# KiCad board Ricardo-Stark.kicad_pcb (continued)
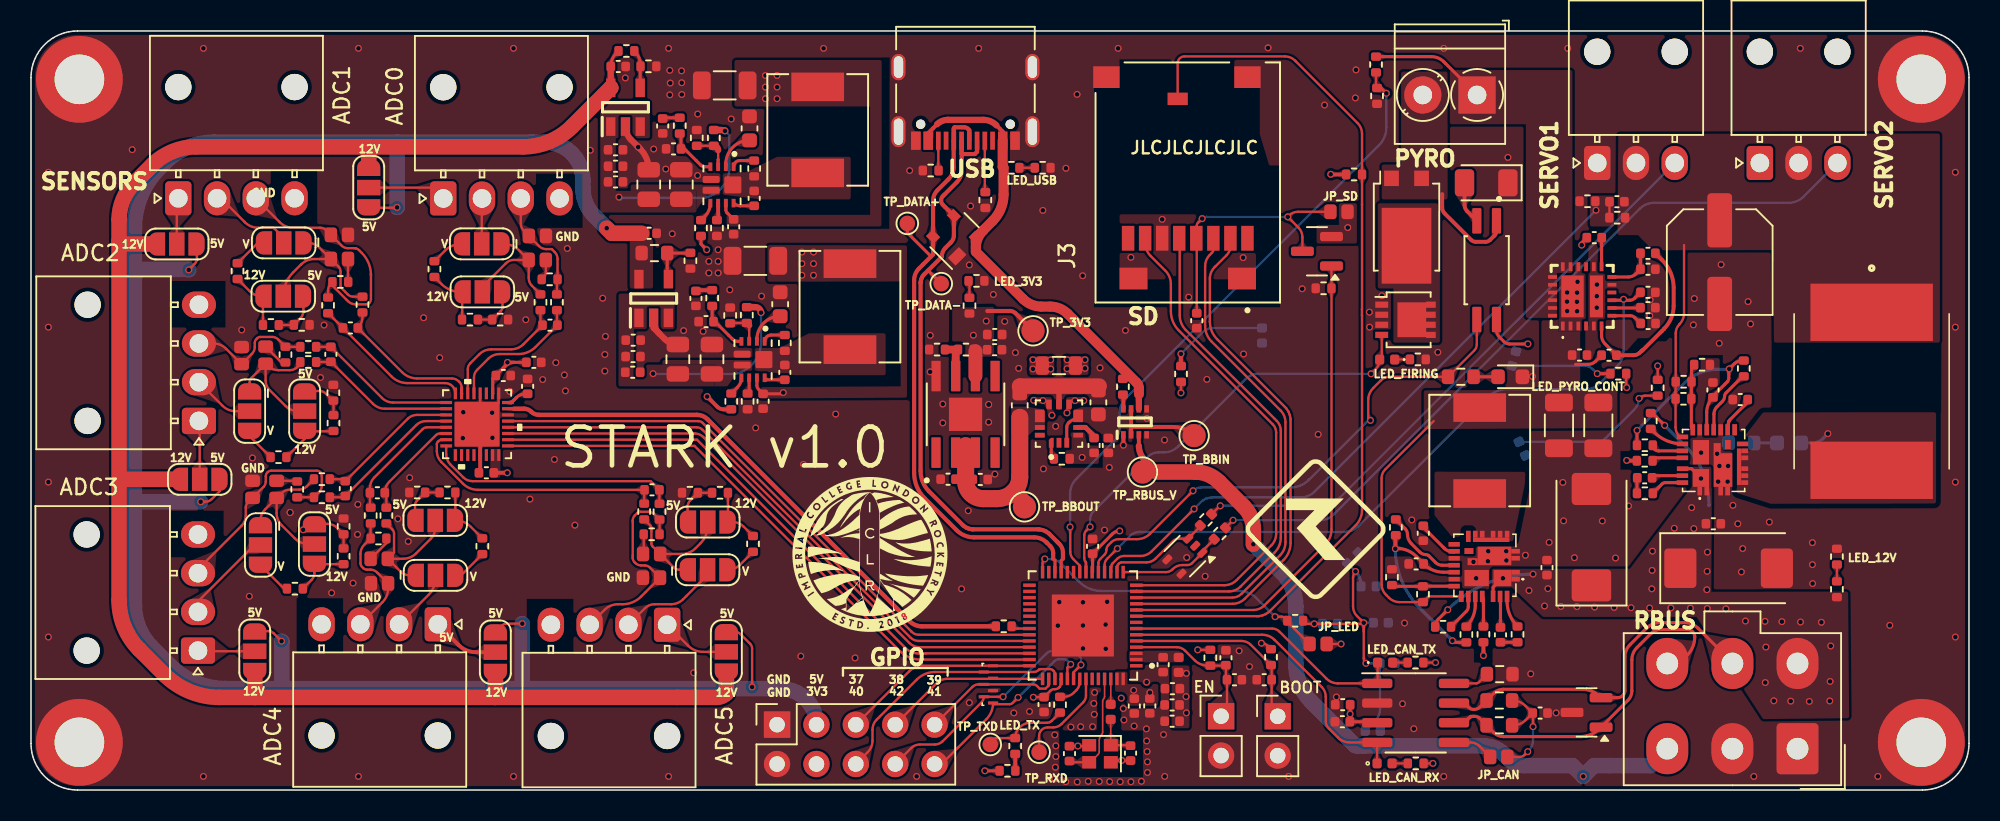
[diagram p0: board, top side]
## Routing (per net, layer and track width the routed paths; a pad name or vN(x,y) marks a point on that pad's centre or on a via; arc(x,y) is an arc through that point) (continued)
VBUS: length 31.3
  Top w0.25: 62.27,42.91 62.67,42.51 J2.A4 ; 58.44,42.98 57.87,42.41 J2.A9
  Top w0.4: 71.46,25.56 71.46,25.55 U3.6 ; 62.27,42.91 arc(61.88,43.17) 61.41,43.27 59.13,43.27 arc(58.76,43.19) 58.44,42.98
  Top w0.645: D2.2 60.94,34.75 63.99,31.7 arc(64.53,31.34) 65.17,31.21 65.74,31.21 arc(66.35,31.09) 66.87,30.74 71.31,26.3 arc(71.42,26.13) 71.46,25.94 71.46,25.56 ; D2.2 61.42,36.13 ; D2.2 60.94,35.38 ; 61.42,36.13 62.03,36.74 arc(62.55,37.52) 62.73,38.44 R20.1 62.67,40.23 J2.A4 ; 61.42,36.13 arc(61.06,35.6) 60.94,34.98
/ADS_CLK: length 37.1
  Top w0.2: 31.15,24.61 U7.23
  Top w0.284: 31.15,24.61 31.8,24.61 arc(32.05,24.57) 32.26,24.43 arc(32.49,24.27) 32.76,24.22 42.95,24.22 arc(43.32,24.14) 43.64,23.93 56.68,10.89 arc(57.04,10.65) 57.45,10.57 R91.1
/ADS_CS0: length 39.3
  Top w0.15: U7.17 42.8,22.21 56.04,8.97 arc(56.65,8.57) 57.37,8.42 U1.41
/Boosts/FB_5V: length 2.4
  Top w0.15: IC1.3 46.32,30 ; R61.1 45.12,30.15
  Top w0.4: 46.32,30 arc(46.28,30.11) R61.1 ; 45.12,30.15 arc(45.1,30.14) 45.1,30.13
/Boosts/FB_12V: length 2.6
  Top w0.15: R68.1 R69.2 ; 44.32,41.31 44.32,40.7
  Top w0.2: IC4.3 44.32,40.69 44.32,40.7
  Top w0.4: 44.32,41.31 arc(44.24,41.51) R68.1
/Boosts/LDO5.5V_IN: length 11.2
  Top w0.4: R61.2 46.73,31.17 arc(46.98,31.07) v1(47.09,30.82)
  Bottom w0.15: 40.15,26.85 45.4,26.85 arc(46.61,27.58) 47.09,28.92 v1(47.09,30.82)
  Bottom w0.4: 40.15,26.85 v1(40.12,26.88)
/Boosts/LDO12V_IN: length 11.5
  Top w0.4: v1(44.76,42.55) 44.73,42.59 44.68,42.59 arc(44.6,42.6) 44.52,42.61 R68.2
  Bottom w0.15: v1(44.76,42.55) 45.04,42.27 45.04,40.05 arc(44.54,38.87) 43.43,38.22 37.98,38.22
  Bottom w0.4: v1(37.92,38.28) 37.98,38.22
/Boosts/SW_5V: length 1.5
  Top w0.2: R66.1 47.73,29.37 arc(47.44,29.25) IC1.1
/Boosts/SW_12V: length 1.6
  Top w0.2: R73.1 45.71,40.63 arc(45.43,40.52) IC4.1
/BOOT: length 12.8
  Top w0.15: U1.5 78.09,9.62 arc(78.4,9.56) 78.67,9.38 R5.2 80.02,8.03 C8.1 80.02,5.15 BOOTJUMPER1.1
/buckC/BOOT: length 2
  Top w0.2: C35.1 104.7,20.29 U6.23
/buckC/EN: length 2.3
  Top w0.2: 104.47,23.32 104.68,23.1 arc(105.53,22.54) U6.19
/buckC/FB: length 4.3
  Top w0.2: U6.17 arc(107.12,23.36) 107.09,23.47 R26.1 107.09,26.33 arc(107.1,26.34) R29.1 107.1,27.05 arc(107.15,27.27) R27.2
/buckC/PHASE: length 2.2
  Top w0.2: U6.24 105.41,19.84 arc(105.3,19.82) 105.2,19.76 R28.1
/buckC/SW: length 1.9
  Bottom w0.2: v1(115.9,23.01) 115.56,22.67 arc(115.27,22.47) 114.92,22.41 114.17,22.41
/CAN+: length 25.2
  Top w0.2: U2.7 92.46,5.61 92.75,5.32 arc(92.88,5.23) 93.04,5.2 93.08,5.2 arc(93.29,5.25) 93.47,5.36 R16.1 94.36,6.26 arc(94.63,6.44) 94.95,6.5 100.04,6.5 arc(100.67,6.38) 101.21,6.02 D1.2 102.32,5.96 arc(102.52,6) 102.69,6.11 arc(102.78,6.24) 102.81,6.4 102.81,8.59 arc(102.89,9.02) 103.13,9.38 104.2,10.44 arc(104.6,10.71) 105.07,10.8 106.65,10.8 arc(107.13,10.71) 107.53,10.44 109.74,8.23 J1.5 ; J1.5 109.14,8.17 ; J1.5 arc(109.18,8.28) 108.71,8.6 ; J1.5 arc(109.73,8.22) 109.7,8.27
/CAN-: length 24.3
  Top w0.2: 106.05,8.17 J1.6 105.58,8.17 arc(106.8,8.68) 107.31,9.9 arc(107.18,10.22) 106.86,10.35 105.09,10.35 arc(104.77,10.29) 104.5,10.11 103.58,9.19 arc(103.34,8.83) 103.26,8.41 103.26,6.4 arc(103.19,6.07) 103.01,5.79 D1.1 101.18,3.96 arc(100.61,3.58) 99.93,3.45 94.97,3.45 arc(94.64,3.51) 94.36,3.7 R17.2 93.41,4.65 arc(93.3,4.73) 93.16,4.75 93.04,4.75 ; U2.6 91.89,4.34 arc(92.41,4.45) 92.86,4.74 92.87,4.75 93.04,4.75 ; 93.04,4.75 93.04,4.75 arc(92.86,4.72) 92.71,4.62
/CAN-BUS/Vref: length 2.7
  Top w0.15: JP1.1 93.4,2.85 arc(93.16,3.02) 92.87,3.07 U2.5
/CAN_RX: length 20.9
  Top w0.15: CANRXLED1.1 86.82,3.06 U2.4 85.05,3.07 arc(84.64,3.15) 84.3,3.38 83.69,3.99 arc(83.56,4.19) 83.51,4.43 83.51,6.03 arc(83.44,6.36) 83.25,6.65 80.21,9.7 arc(79.85,9.94) 79.42,10.02 U1.6
/CAN_TX: length 18.3
  Top w0.15: 86.86,8.23 86.86,6.91 U2.1 84.29,6.88 arc(83.9,6.96) 83.57,7.18 80.52,10.23 arc(80.31,10.37) 80.06,10.42 U1.7
/CHIP_PU: length 9.7
  Top w0.15: ENJUMPER1.1 77.14,5.14 C3.1 77.07,7.19 C2.1 77.04,8.03 R1.2 75.9,8.03 arc(75.44,8.12) 75.05,8.38 74.43,9 arc(74.19,9.16) 73.9,9.22 U1.4
/Cont 1: length 33.8
  Top w0.15: U9.3 93.25,28.77 arc(93.21,28.55) 93.09,28.36 R79.1 87.64,26.68 arc(87.33,26.62) 87.06,26.44 86.58,25.95 arc(86.36,25.64) 86.25,25.28 86.25,24 v1(86.4,23.86) ; v1(74.95,19.32) 72.17,16.54 arc(71.79,16.28) 71.34,16.19 70.16,16.19 arc(69.9,16.14) 69.67,15.99 69.49,15.81 arc(69.4,15.67) 69.37,15.51 arc(69.33,15.33) 69.23,15.18 68.96,14.9 arc(68.87,14.78) 68.85,14.64 U1.19
  Bottom w0.15: v1(86.4,23.86) 86.25,23.86 82.39,20 arc(81.88,19.66) 81.28,19.54 75.48,19.54 arc(75.2,19.48) v1(74.95,19.32)
/Data+: length 40.8
  Top w0.2: TP4.1 56.52,35.98 58.06,34.44 ; U1.26 66.05,14.82 65.93,14.94 ; 57.27,33.66 57.28,33.66
  Top w0.267: 65.93,14.94 65.93,15.3 arc(65.88,15.54) 65.75,15.74 65.5,15.98 arc(65.14,16.23) 64.71,16.31 60.82,16.31 arc(60.21,16.43) 59.7,16.77 57.64,18.84 arc(57.14,19.59) 56.96,20.47 56.96,32.9 arc(57.04,33.31) 57.28,33.66 58.18,34.57 D2.4 58.18,38.05 arc(58.25,38.41) 58.46,38.71 59.2,39.45 arc(59.43,39.8) 59.51,40.21 59.51,41.91 J2.B6 59.52,42.72 59.59,42.78 ; 59.52,42.57 59.52,42.62 arc(59.53,42.69) 59.56,42.75 59.59,42.78 ; J2.A6 60.52,42.6 60.43,42.69 arc(60.32,42.76) 60.2,42.78 59.59,42.78
/Data-: length 39.9
  Top w0.2: U1.25 66.45,14.81 66.56,14.93 ; TP3.1 57.86,33.54
  Top w0.267: 66.56,14.93 66.56,15.34 arc(66.5,15.63) 66.34,15.87 66.25,15.96 66.19,16.02 65.71,16.51 65.63,16.58 65.45,16.7 65.25,16.78 65.04,16.82 64.93,16.83 60.79,16.83 60.7,16.83 60.5,16.87 60.32,16.94 60.16,17.05 60.08,17.12 57.92,19.28 arc(57.52,19.89) 57.38,20.6 57.38,32.72 57.38,32.8 57.41,32.95 57.47,33.1 57.56,33.24 57.62,33.29 58.74,34.42 arc(58.8,34.73) 58.98,35 59.34,35.36 arc(59.48,35.56) 59.53,35.81 D2.3 58.82,37.78 arc(58.73,37.91) 58.7,38.06 arc(58.73,38.21) 58.81,38.34 59.71,39.23 arc(59.95,39.59) 60.03,40.01 60.03,41.91 J2.A7 60.02,41.07 60.04,41.06 60.87,41.06 61.02,41.2 J2.B7
/DRDY: length 39.3
  Top w0.15: U1.40 57.72,8.82 57.72,8.82 57.24,8.82 arc(56.79,8.91) 56.41,9.16 42.96,22.61 U7.18
/Fuse_Cont: length 41.1
  Top w0.15: R42.2 86.75,45.39 R43.2 ; U1.22 67.65,14.49 67.23,14.91 arc(67.08,15.12) 67.03,15.38 67.03,16.95 arc(67.03,16.97) v1(67.02,16.98)
  Top w0.2: R43.2 87.08,45.32 v1(87.42,44.98)
  Bottom w0.15: v1(87.42,44.98) 87.42,42.78 arc(87.3,42.15) 86.94,41.62 70.62,25.29 arc(70.32,24.86) 70.22,24.34 70.22,23.42 arc(70.12,22.92) 69.84,22.5 67.41,20.07 arc(67.12,19.64) 67.02,19.13 v1(67.02,16.98)
/GPIO37: length 13.4
  Top w0.15: J5.5 56.64,7.66 arc(57.04,7.93) 57.52,8.02 U1.42
  Bottom w0.15: 53.22,4.24 53.22,4.91
/GPIO38: length 11.4
  Top w0.15: J5.7 58.44,6.91 arc(58.73,7.11) 59.07,7.18 U1.43 ; 55.76,4.91 55.76,4.24
/GPIO39: length 9.7
  Top w0.15: 58.3,4.91 58.3,4.24 ; U1.44 65.65,6.76 65.61,6.72 65.58,6.69 65.44,6.55 65.06,6.55 64.88,6.72 arc(64.77,6.79) 64.64,6.82 D7.6 61.11,6.82 arc(60.9,6.78) 60.72,6.65 J5.9
/GPIO40: length 16.6
  Top w0.15: U1.45 66.05,7.47 arc(66.02,7.59) 65.96,7.69 65.9,7.75 arc(65.83,7.79) 65.75,7.81 65.09,7.81 65.07,7.8 65.03,7.78 65.01,7.76 65,7.76 arc(64.85,7.65) 64.67,7.62 58.31,7.62 arc(57.67,7.49) 57.14,7.13 54.54,4.54 arc(54.35,4.25) 54.28,3.9 54.28,3.19 arc(54.2,2.79) 53.97,2.45 J5.6
/GPIO41: length 13.7
  Top w0.15: v1(67.06,8.11) 66.85,7.9 U1.47 ; J5.10 58.73,1.68 61.61,4.56 arc(61.94,5.05) D7.1 62.13,5.54 63.11,5.54 arc(63.22,5.56) 63.32,5.63 v1(63.67,5.98)
  Bottom w0.15: 67.06,8.09 v1(67.06,8.11) 67.06,8.15 66.87,8.34 arc(66.76,8.41) 66.64,8.44 66.29,8.44 arc(66.14,8.41) 66.02,8.33 v1(63.67,5.98) ; 58.28,2.28 J5.10
/GPIO42: length 16.9
  Top w0.15: v1(67.72,8.08) 67.25,7.6 U1.48 ; J5.8 56.77,2.71 arc(57.03,2.88) 57.33,2.94 58.29,2.94 arc(58.57,2.99) 58.8,3.15 61.3,5.64 arc(61.41,5.82) D7.5 ; 61.25,6.02 D7.5 ; D7.5 v1(62.7,6.02)
  Bottom w0.15: v1(67.72,8.08) 67.73,8.09 67.73,8.45 arc(67.71,8.54) 67.66,8.62 67.46,8.82 arc(67.28,8.94) 67.08,8.98 65.89,8.98 arc(65.68,8.94) 65.5,8.82 v1(62.7,6.02)
/HSPI_MISO: length 39.3
  Top w0.15: U1.38 57.27,9.62 arc(56.97,9.68) 56.72,9.85 43.34,23.23 43.31,23.26 arc(43.14,23.37) 42.93,23.41 U7.20
  Top w0.2: 30.77,23.4 30.78,23.39
/HSPI_MOSI: length 39.3
  Top w0.15: U7.21 43.05,23.81 arc(43.19,23.79) 43.31,23.71 43.41,23.61 56.77,10.25 56.81,10.21 arc(57.02,10.07) 57.26,10.02 U1.37
/HSPI_SCLK: length 39.3
  Top w0.15: U1.39 57.3,9.22 arc(56.95,9.29) 56.66,9.49 43.41,22.73 43.35,22.8 arc(43.11,22.96) 42.82,23.01 U7.19
/LEDC: length 20.1
  Top w0.15: v1(65.39,14.92) 65.34,14.87 arc(65.27,14.76) 65.25,14.64 U1.28 ; JP2.1 81.03,10.86 R13.2 80.84,11.12 arc(80.76,11.17) 80.67,11.19 v1(80.24,11.19)
  Bottom w0.15: v1(65.39,14.92) 65.4,14.91 65.73,14.91 arc(66.11,14.83) 66.43,14.62 67.61,13.44 arc(68.27,13) 69.04,12.85 77.91,12.85 arc(78.53,12.73) 79.06,12.37 ; v1(80.24,11.19) 79.06,12.37
/Nuke 1: length 29.1
  Top w0.15: v1(68.31,16.99) 68.05,16.72 arc(67.96,16.6) 67.94,16.46 67.94,14.96 arc(67.96,14.82) 68.05,14.7 U1.21 68.05,14.63 arc(68.03,14.71) 67.98,14.79 ; v1(86.43,26.87) 86.73,27.17 arc(86.92,27.45) Firing1.2 87.12,27.92 Q2.4
  Bottom w0.15: v1(86.43,26.87) 79.17,26.87 arc(78.72,26.78) 78.34,26.52 73.99,22.18 arc(73.57,21.9) 73.07,21.8 72.72,21.8 arc(72.36,21.73) 72.06,21.52 68.54,18 arc(68.37,17.75) 68.31,17.46 v1(68.31,16.99) 68.36,16.99
/Power/BBIN: length 8.4
  Top w0.2: U4.3 66.81,23.42 arc(66.84,23.57) 66.92,23.69 66.97,23.74 arc(67.2,23.9) 67.48,23.95
  Top w0.25: U3.2 70.96,23.42 70.98,23.44 73.66,23.44 arc(74.4,23.3) TP5.1 ; 70.96,22.84 70.96,24.51
/Power/BBOUT: length 13.6
  Top w0.25: U5.2 U5.3
  Top w1: 63.38,19.26 64.08,18.56 TP8.1
  Top w1.1: C20.1 63.77,20.2 arc(63.67,19.69) 63.38,19.26 arc(62.89,18.93) 62.3,18.81 61.42,18.81 arc(60.62,19.14) 60.28,19.94 60.28,22.23
/Power/BIAS: length 1.4
  Top w0.25: C19.1 68.57,22.82 68.59,22.84
  Top w0.31: 68.59,22.84 68.01,23.41 67.52,23.41
/Power/FBIn: length 2.6
  Top w0.25: 59.64,28.29 R23.2
  Top w0.5: R23.2 R24.1 ; U5.7 59.64,28.29
/Power/LX1:
  vias: v1(66.83,27.77) v1(66.83,27.2) v1(66.82,24.35) v1(67.33,25.14) v1(67.9,25.14) v1(67.98,27.78) v1(67.98,27.22)
/Power/LX2:
  vias: v1(64.62,27.78) v1(64.62,27.18) v1(64.67,25.16) v1(65.27,25.14) v1(65.77,27.77) v1(65.77,27.18) v1(65.85,24.19)
/Power/SEL: length 1
  Top w0.2: U4.1 65.81,21.8 arc(65.85,21.58) R22.1
/pressure_sensor/AIN0N: length 8.6
  Top w0.15: U7.30 28.17,27.16 arc(28.21,27.37) 28.33,27.55 28.91,28.12 arc(29.27,28.36) 29.69,28.45 30.96,28.45 arc(31.4,28.53) 31.76,28.78 C38.1 32.86,30.14 R39.1
/pressure_sensor/AIN0P: length 8.8
  Top w0.15: U7.29 28.57,26.63 arc(28.62,26.9) 28.78,27.12 29.49,27.84 arc(29.83,28.06) 30.23,28.14 31.44,28.14 arc(32.04,28.26) 32.54,28.6 C38.2 33.92,30.04 R40.1
/pressure_sensor/AIN1N: length 9.8
  Top w0.15: R46.1 21.38,30.55 arc(21.3,30.16) C33.1 23.94,26.97 arc(24.38,26.67) 24.91,26.57 27.14,26.57 arc(27.38,26.52) 27.59,26.38 27.63,26.34 arc(27.73,26.18) 27.77,26 U7.31
  Top w0.2: 27.78,25.59 arc(27.77,25.6) 27.76,25.61
/pressure_sensor/AIN1P: length 10.4
  Top w0.15: R47.1 19.17,30.78 C33.2 23.26,26.69 arc(23.73,26.38) 24.28,26.27 26.71,26.27 arc(27.18,26.07) U7.32
/pressure_sensor/AIN2N: length 9.6
  Top w0.15: R57.1 19.32,27.63 C42.1 22.05,24.94 arc(22.41,24.7) 22.83,24.61 U7.2
/pressure_sensor/AIN2P: length 9.8
  Top w0.15: R58.1 C42.2 22.64,25.31 arc(22.97,25.09) 23.36,25.01 U7.1
/pressure_sensor/AIN3N: length 9.3
  Top w0.15: U7.3 24.88,24.21 arc(24.57,24.15) 24.31,23.98 C41.1 20.14,20.07 R51.1
/pressure_sensor/AIN3P: length 9.5
  Top w0.15: R52.1 20.19,18.9 C41.2 24.86,23.56 arc(25.13,23.75) 25.46,23.81 U7.4
/pressure_sensor/AIN4N: length 6.7
  Top w0.15: R102.1 22.92,19.09 C44.1 arc(22.9,19.58) 23.12,19.91 26.13,22.92 arc(26.24,22.99) 26.36,23.01 U7.6
/pressure_sensor/AIN4P: length 8
  Top w0.15: R103.1 21.86,18.28 C44.2 21.86,19.5 arc(21.93,19.87) 22.14,20.18 25.26,23.3 arc(25.39,23.38) 25.54,23.41 U7.5
/pressure_sensor/AIN5N: length 16.8
  Top w0.15: R96.1 39.55,19.43 39.57,19.45 C43.1 28.82,19.38 arc(28.3,19.48) 27.86,19.78 26.46,21.18 arc(26.25,21.49) 26.18,21.87 26.18,22.34 arc(26.19,22.41) 26.23,22.47 26.29,22.52 arc(26.39,22.59) 26.51,22.61 U7.7
/pressure_sensor/AIN5P: length 16.4
  Top w0.15: U7.8 26.78,21.68 arc(26.85,21.32) 27.05,21.01 27.89,20.18 arc(28.15,20) 28.47,19.94 39.97,19.94 C43.2 ; 40.53,19.45 40.53,18.49 R97.1
/Pyro/BOOT: length 2
  Top w0.2: C76.1 94.78,12.44 arc(94.77,12.47) U10.23
/Pyro/EFuse_In: length 19.7
  Top w0.15: 92.21,12.5 90.15,12.5 R82.2 88.26,12.13 arc(87.9,12.2) 87.6,12.4 87.39,12.61 arc(87.18,12.92) 87.11,13.28 87.11,20.13 arc(87.17,20.43) 87.34,20.69 90.47,23.82
  Top w0.2: 99.62,27.48 100.44,27.48 arc(100.69,27.53) 100.9,27.67 R108.1
  vias: v1(99.07,31.53) v1(99.08,32.12) v1(99.08,30.92) v1(99.75,32.81) v1(99.72,32.11) v1(99.71,31.52) v1(99.72,30.91)
/Pyro/EN: length 2.4
  Top w0.2: U10.19 92.71,11.84 arc(92.67,11.68) 92.58,11.54 91.6,10.56 arc(91.59,10.55) R88.1
/Pyro/FB: length 4
  Top w0.2: U10.17 89.81,13.16 arc(89.79,13.16) R82.1 87.97,13.15 arc(87.87,13.17) R83.2
/Pyro/OVLO: length 3.1
  Top w0.2: IC5.12 103.02,33.12 arc(103.29,33.17) 103.52,33.32 R110.1 R109.2
/Pyro/PHASE: length 2.1
  Top w0.2: U10.24 95.21,12.19 arc(95.38,11.31) R84.1
/Pyro/PyroV: length 7.5
  Top w0.2: R42.1 90.32,47.34 arc(90.76,47.26) 91.13,47.01 J12.1
/Pyro_IMON: length 45.2
  Top w0.15: v1(70.07,15.59) 69.41,14.93 arc(69.29,14.75) 69.25,14.53 U1.18
  Top w0.2: R112.1 103.42,31.74 arc(103.29,31.65) 103.13,31.62 IC5.9
  Bottom w0.15: v1(102.72,31.68) 102.72,28.35 arc(102.62,27.82) 102.32,27.37 101.17,26.23 arc(100.78,25.97) 100.32,25.88 95.23,25.88 arc(94.52,25.74) 93.92,25.33 85.63,17.04 arc(85.2,16.76) 84.7,16.66 71.51,16.66 arc(71.17,16.59) 70.88,16.4 v1(70.07,15.59)
/RXD: length 6.4
  Top w0.15: U1.50 68.05,6.1 arc(68,5.86) 67.86,5.66 66.46,4.26 arc(66.22,4.1) 65.94,4.04 65.57,4.04 arc(65.18,3.88) 65.02,3.49 TP2.1
/SD1_CS: length 34.2
  Top w0.15: 77.39,35.75 77.39,35.21 arc(77.32,34.83) 77.1,34.51 76.35,33.76 arc(76.14,33.46) 76.04,33.11 76.04,33 76.04,30.23 76.04,30.22 arc(76.16,29.62) 76.51,29.1 80.88,24.73 80.97,24.64 81.1,24.44 81.19,24.22 81.24,23.98 81.24,23.86 81.24,15.95 arc(81.12,15.35) 80.78,14.85 78.28,12.35 arc(77.92,12.11) 77.5,12.02 U1.11
/SD1_DET: length 58.6
  Top w0.15: J3.SW 73.96,46.92 arc(74.09,47.23) 74.4,47.36 80.88,47.36 arc(81.23,47.29) 81.53,47.09 85.57,43.05 arc(85.78,42.74) 85.85,42.37 R30.1 85.85,31.05 85.85,31.05 85.85,30.65 85.85,30.65 85.85,18.07 arc(85.75,17.54) 85.45,17.1 79.92,11.57 79.84,11.49 79.64,11.36 79.43,11.27 79.2,11.22 79.08,11.22 U1.9
/SD_EN: length 32
  Top w0.15: U1.10 78.84,11.62 arc(79.22,11.7) 79.55,11.91 83.48,15.85 arc(83.78,16.29) 83.88,16.82 R71.2 Q3.2
  Top w0.2: 71.31,11.64 U1.10
/Servo1PWM: length 6.8
  Top w0.15: U1.16 70.05,14.4 arc(70.06,14.48) 70.11,14.55 70.2,14.65 arc(70.26,14.68) 70.33,14.7 71.95,14.7 arc(72.26,14.76) 72.53,14.94 73.67,16.08 arc(73.84,16.19) 74.03,16.23 D5.3 75.42,17.02 R105.1
/Servo2PWM: length 6.7
  Top w0.15: U1.15 73.2,14.07 arc(73.43,14.11) 73.63,14.24 73.66,14.28 arc(73.93,14.46) 74.25,14.52 74.59,14.52 arc(74.75,14.56) 74.89,14.65 D5.1 75.55,15.43 R106.1
/ServoV_LOG: length 41.8
  Top w0.15: C36.2 101.81,36.96 R34.1 ; v1(75.02,18.15) 72.29,15.41 arc(71.95,15.19) 71.55,15.11 70.5,15.11 arc(70.26,15.06) 70.06,14.93 69.77,14.64 69.73,14.59 arc(69.7,14.51) 69.69,14.43 ; 69.69,14.11 U1.17
  Bottom w0.15: v1(100.94,37.43) 100.55,37.04 100.55,37.03 82.98,19.45 82.78,19.26 arc(82.37,18.98) 81.89,18.89 76.18,18.89 arc(75.79,18.81) 75.47,18.59 v1(75.02,18.15)
/TXD: length 5.6
  Top w0.15: R7.1 65.85,4.48 arc(65.7,4.38) 65.52,4.34 64.47,4.34 arc(63.77,4.05) TXLED1.1 62.28,3.35 arc(61.99,3.23) TP1.1
/VSPI_MISO: length 33.1
  Top w0.15: U1.14 76.97,13.22 arc(77.4,13.31) 77.76,13.55 80,15.79 arc(80.23,16.13) 80.31,16.54 80.31,23.08 arc(80.25,23.37) 80.09,23.61 74.04,29.66 arc(73.66,30.23) 73.52,30.91 73.52,32.67 arc(73.43,33.13) 73.17,33.53 72.2,34.49 arc(71.97,34.83) 71.89,35.24 71.89,35.75
/VSPI_MOSI: length 33.3
  Top w0.15: U1.12 77.48,12.42 arc(77.81,12.49) 78.08,12.67 80.57,15.15 arc(80.82,15.54) 80.91,15.99 80.91,23.74 arc(80.83,24.15) 80.59,24.51 76.15,28.95 arc(75.84,29.41) 75.73,29.96 75.73,33.83 arc(75.81,34.21) 76.02,34.53 76.16,34.66 arc(76.26,34.82) 76.29,34.99 76.29,35.75
/VSPI_SCLK: length 33.1
  Top w0.15: U1.13 77.27,12.82 arc(77.67,12.9) 78.01,13.13 80.21,15.33 arc(80.51,15.77) 80.61,16.29 80.61,23.2 arc(80.54,23.54) 80.35,23.83 74.49,29.69 arc(74.19,30.13) 74.09,30.65 74.09,35.75
  Top w0.2: 71.31,12.84 U1.13
DeployV: length 23.4
  Top w0.2: U6.22 107.11,20.74 107.71,20.14 v1(107.71,20.11) 107.74,20.11 U6.26 ; v1(105.37,23.54) 104.64,24.26 arc(104.57,24.32) R33.2 ; U10.26 94.89,13.67 v1(94.94,13.67) 94.94,13.72 94.31,13.09 U10.22 ; v1(91.38,11.64) 90.78,11.03 arc(90.62,10.81) R88.2
  Bottom w0.2: v1(91.38,11.64) 91.42,11.68 arc(93.92,13.35) v1(96.88,13.94) ; v1(105.37,23.54) 106.69,22.22 arc(107.86,20.47) 108.22,18.38 arc(107.86,20.47) 108.27,18.41
  vias: v1(96.62,12.88) v1(97.62,11.88) v1(97.84,13) v1(98.67,11.85) v1(99.71,11.84) v1(100.85,11.81) v1(102.11,11.79) v1(103.2,11.77) v1(104.4,11.75) v1(104.56,14.18) v1(104.54,12.99) v1(104.58,15.42) v1(105.77,11.76) v1(105.99,16.9) v1(107.03,11.74) v1(107.11,18.23) v1(107.25,16.88) v1(108.13,15.36) v1(108.11,14.12) v1(108.09,12.93) v1(108.12,11.72) v1(109.32,11.7) v1(110.58,10.91) v1(111.84,10.89) v1(111.86,6.94) v1(111.9,9.23) v1(112.41,5.76) v1(112.93,10.87) v1(113.5,5.74) v1(114.13,10.85) v1(114.7,5.72) v1(115.48,10.83) v1(116.04,7.01) v1(116.02,5.75) v1(116.08,9.3)
RBUS_uC_V: length 48.9
  Top w0.25: U3.3 71.46,22.21
  Top w0.4: 72.62,20.53 71.83,21.32 arc(71.55,21.73) 71.46,22.21
  Top w1: 72.62,20.53 75.08,20.53 arc(75.92,20.36) 76.63,19.89 78.23,18.29 arc(78.68,17.61) 78.84,16.81 v1(78.84,15.87)
  Bottom w1: v1(78.84,15.87) 80.68,14.03 arc(81.35,13.03) 81.58,11.86 81.58,8.11 arc(81.84,6.81) 82.58,5.7 85.4,2.88 85.45,2.86 85.52,2.85 85.57,2.85 85.99,2.85 93.74,2.85 arc(94.42,2.71) 94.99,2.33 95.37,1.95 arc(95.79,1.67) 96.27,1.57 99.43,1.57 v1(100.12,0.88) 100.82,1.57 104.45,1.57 J1.3
Net-(3V3LED1-A): length 1.1
  Top w0.15: R6.1 60.53,32.81 3V3LED1.2
Net-(3V3LED2-A): length 10.3
  Top w0.15: R11.1 104.12,25.46 arc(103.92,25.42) 103.75,25.3 v1(103.72,25.28)
  Bottom w0.15: 3V3LED2.2 101.02,22.48 arc(101.3,22.53) 101.53,22.69 103.44,24.6 arc(103.65,24.91) v1(103.72,25.28)
Net-(3V3LED3-A): length 6.7
  Top w0.25: R12.1 74.17,27.38 v1(74.17,28.16)
  Bottom w0.15: v1(74.17,28.16) 75.53,29.51 arc(75.87,29.75) 76.28,29.83 3V3LED3.2
Net-(3V3LED8-A): length 6.5
  Top w0.2: R44.1 v1(101.02,26.88)
  Bottom w0.15: 3V3LED8.2 100.21,27.38 arc(100.5,27.32) 100.74,27.16 v1(101.02,26.88)
Net-(3V3LED10-A): length 19.7
  Top w0.15: v1(82.77,10.73) 85.89,10.73 v1(85.96,10.8) ; v1(82.77,10.73) 82.25,10.73 R13.1 ; v1(82.77,10.73) 82.74,10.7 ; 85.96,10.24 85.96,10.51 arc(85.91,10.78) 85.76,11 ; 85.96,10.24 85.96,8.52 arc(86,8.33) v1(86.1,8.18) ; 85.96,10.24 v1(85.96,10.8) ; v1(85.96,10.8) 85.76,11 ; 85.76,11 85.53,11.23 arc(85.34,11.52) 85.27,11.85 85.27,13.72 arc(85.31,13.93) v1(85.43,14.11)
  Bottom w0.15: v1(85.43,14.11) 84.92,14.62 3V3LED5.2 ; 3V3LED4.2 v1(85.96,10.8) ; 3V3LED7.2 v1(82.77,10.73) ; 86.06,3.82 86.68,4.45 arc(86.93,4.81) 87.01,5.24 3V3LED10.2 v1(86.1,8.18)
  Bottom w0.2: 3V3LED6.2 85.79,13.25 arc(85.69,13.72) v1(85.43,14.11)
Net-(12VLED1-A): length 1.1
  Top w0.15: R8.2 12VLED1.2
Net-(C6-Pad1): length 0
  Top w0.2: 73.05,8.54 C6.1
Net-(C13-Pad1): length 3
  Top w0.1: L2.2 69.64,2.9 arc(69.64,2.89) Y1.1
  Top w0.15: Y1.1 70.89,2.89 C13.1
Net-(C35-Pad2): length 1
  Top w0.2: R28.2 103.58,20.14 arc(103.59,20.15) C35.2
Net-(C50-Pad1): length 1.1
  Top w0.25: R60.2 42.94,32.27 C50.1
Net-(C63-Pad1): length 1.1
  Top w0.2: R67.2 40.79,43.4 arc(40.76,43.38) C63.1
Net-(C76-Pad2): length 1.1
  Top w0.2: C76.2 R84.2
Net-(C78-Pad2): length 1.5
  Bottom w0.2: 111.15,22.41 112.62,22.41
Net-(CANRXLED1-A): length 1
  Top w0.15: R3.2 CANRXLED1.2
Net-(CANTXLED1-A): length 1
  Top w0.15: CANTXLED1.2 R2.2
Net-(D4-A): length 1.6
  Top w0.2: R79.2 D4.2
Net-(D6-A): length 2.8
  Top w0.25: D6.2 92.46,37.78 arc(92.51,37.55) 92.64,37.36 93.25,36.74
Net-(Firing1-K): length 1
  Top w0.15: Firing1.1 87.97,27.8 R77.1
Net-(IC1-BOOT): length 1.4
  Top w0.2: C54.1 47.45,26.48 arc(47.36,26.52) IC1.10
Net-(IC1-COMP): length 3.4
  Top w0.2: IC1.4 45.61,28.96 arc(45.41,29) 45.24,29.12 44.12,30.24 C49.1 43.94,30.32 R60.1
Net-(IC1-EN): length 1.2
  Top w0.2: R9.1 45.57,26 arc(45.76,26.28) IC1.7
Net-(IC1-ILIM): length 1.1
  Top w0.2: IC1.8 46.32,25.7 arc(46.29,25.63) R63.2
Net-(IC1-VCC): length 2.5
  Top w0.2: IC1.2 46.82,29.09 arc(47.26,30.15) C48.1
Net-(IC2-ADJ/NC): length 3.2
  Top w0.2: R64.2 arc(42.51,34.67) 42.48,34.66 R65.1 41.04,33.16 arc(41.06,33.06) IC2.4
Net-(IC3-ADJ/NC): length 2.5
  Top w0.2: IC3.4 39.29,46.67 arc(39.3,46.7) R70.2 39.31,46.79 arc(39.22,47.27) 38.95,47.67 R107.1
Net-(IC4-BOOT): length 1.4
  Top w0.2: C66.1 45.74,37.71 arc(45.51,37.76) IC4.10
Net-(IC4-COMP): length 3.4
  Top w0.2: IC4.4 43.44,40.24 arc(43.31,40.26) 43.2,40.34 42.15,41.39 C62.1 41.92,42.3 arc(41.9,42.36) R67.1
Net-(IC4-EN): length 1.3
  Top w0.2: R10.1 43.47,37.04 arc(43.73,37.43) IC4.7
Net-(IC4-ILIM): length 1.1
  Top w0.25: IC4.8 44.32,36.86 R72.2
Net-(IC4-VCC): length 2.8
  Top w0.2: 44.82,40.51 IC4.2 44.82,40.41 arc(45.27,41.49) C61.1
Net-(IC5-EN/UVLO): length 11.4
  Top w0.2: IC5.6 101.3,29.34 arc(101.36,29.05) 101.52,28.81 R108.2
  Top w0.25: R108.2 103.37,28.07 arc(103.58,28.11) 103.76,28.23 103.9,28.37 103.92,28.37 103.94,28.38 105.33,29.77 105.34,29.78 arc(105.79,30.46) 105.95,31.27 105.95,32.42 arc(105.76,33.39) 105.21,34.21 R109.1
Net-(IC5-ILIM): length 1.9
  Top w0.2: IC5.8 103.79,31.12 R111.1
Net-(IC5-ITIMER): length 2
  Top w0.2: C45.2 103.44,30.5 arc(103.31,30.59) 103.15,30.62 IC5.7
Net-(IC5-PG): length 1.9
  Top w0.2: R113.2 101.3,35.65 101.3,33.78
Net-(J2-CC1): length 3.3
  Top w0.15: J2.A5 61.52,38.63 R18.1
Net-(J2-CC2): length 1.9
  Top w0.15: J2.B5 58.52,40.01 R19.2
Net-(J12-Pin_2): length 6.4
  Top w0.25: 94.52,36.74 94.52,36.11 arc(94.49,35.94) 94.39,35.79 94.11,35.51 arc(93.98,35.42) 93.82,35.39 93.19,35.39 arc(93.03,35.42) 92.88,35.52 91.18,37.22 arc(91.06,37.4) 91.02,37.6 91.02,38.47
Net-(J14-Pin_3): length 39.3
  Top w0.15: R105.2 76.69,18.35 v1(76.71,18.35)
  Bottom w0.15: J14.3 83.97,18.43 arc(83.88,18.37) 83.78,18.35 v1(76.71,18.35)
Net-(J15-Pin_3): length 49.1
  Top w0.15: v1(77.53,17.42) 77.04,16.93 R106.2
  Bottom w0.15: v1(77.53,17.42) 83.15,17.42 arc(83.62,17.51) 84.02,17.78 84.07,17.83 103.77,37.53 arc(104.19,37.81) 104.69,37.91 113.37,37.91 arc(113.9,38.01) 114.35,38.31 J15.3
Net-(JP1-B): length 7.3
  Top w0.15: R16.2 95.55,5.78 arc(96.01,5.69) 96.39,5.43 C16.1 ; JP1.2 96.03,2.14 arc(96.19,2.17) 96.32,2.26 v1(96.54,2.48) ; C16.1 96.4,4.52 arc(96.03,4.27) 95.59,4.18 R17.1 ; C16.1 96.88,4.94 v1(96.88,4.09)
  Bottom w0.15: v1(96.88,4.09) 96.88,3.21 arc(96.81,2.85) 96.61,2.54 v1(96.54,2.48)
Net-(JP4-A): length 1.5
  Top w0.15: JP4.1 20.45,32.81 R49.2
Net-(JP5-B): length 2.2
  Top w0.15: JP5.3 14.63,35.32 R74.1
Net-(JP5-C): length 6.1
  Top w0.15: 16.14,35.81 16.14,35.8 16.24,35.62 16.3,35.42 JP5.2 16.3,35.64 15.7,36.25 arc(15.64,36.29) 15.57,36.3 14.64,36.3 arc(14.19,36.39) 13.8,36.65 12.25,38.2 J7.2
Net-(JP6-A): length 3
  Top w0.15: JP6.1 30.41,31.2 arc(30.38,31.04) 30.29,30.91 R38.1 R37.2
Net-(JP6-B): length 3.9
  Top w0.15: R37.1 27.81,30.38 JP6.3 27.68,32.16 arc(27.03,32.29) 26.49,32.65 R36.2
Net-(JP6-C): length 8.8
  Top w0.15: JP9.2 31.5,34.82 arc(31.01,35.14) 30.44,35.26 JP7.1 ; JP9.2 31.94,34.05 ; JP9.2 32.1,33.06 arc(32.16,32.78) 32.31,32.55 R39.2 ; JP9.2 31.13,34.22 arc(30.87,34.17) 30.64,34.02 29.11,32.48 JP6.2
Net-(JP7-B): length 2.1
  Top w0.15: R36.1 26.7,34.81 arc(27.19,35.14) JP7.3
Net-(JP7-C): length 2.9
  Top w0.15: J6.2 29.07,38.17 JP7.2
Net-(JP8-B): length 15.9
  Top w0.15: R47.2 19.16,32.24 arc(19.21,32.5) 19.36,32.72 R49.1 19.44,32.56 20.45,31.55 arc(20.67,31.41) 20.93,31.35 21.58,31.35 arc(21.72,31.38) 21.83,31.45 arc(21.9,31.56) 21.93,31.7 21.93,33.25 ; J7.3 16.05,36.65 arc(16.44,36.39) 16.9,36.3 18.64,36.3 arc(18.86,36.25) 19.05,36.13 JP8.2 20.04,35.14 arc(20.22,35.02) 20.43,34.98 20.83,34.98 20.89,34.98 arc(20.93,34.97) 20.97,34.96 arc(21.08,34.91) 21.18,34.83 21.34,34.67 arc(21.77,34.02) 21.93,33.25 ; 21.93,33.25 21.93,33.33
Net-(JP9-A): length 1.3
  Top w0.15: JP9.1 33.21,33.45 arc(33.17,33.25) 33.05,33.08 R41.2
Net-(JP10-C): length 3
  Top w0.15: J7.1 9.4,38.1 JP10.2
Net-(JP11-B): length 7.5
  Top w0.15: J6.3 31.59,36.59 arc(31.65,36.31) 31.8,36.08 JP11.2 32.77,35.11 arc(32.98,34.97) 33.23,34.92 33.59,34.92 33.78,34.72 arc(33.92,34.53) 33.96,34.3 R41.1 33.92,32.93 R40.2
Net-(JP12-C): length 5.1
  Top w0.15: JP12.2 25.89,38.89 J6.1
Net-(JP13-A): length 3
  Top w0.15: R48.2 R50.1 19.74,16.93 arc(19.46,17.11) 19.14,17.18 JP13.1
  vias: v1(17.55,16.8)
Net-(JP13-B): length 3.7
  Top w0.15: R45.2 18.1,13.56 arc(18.23,13.77) 18.28,14.01 JP13.3 R48.1
Net-(JP13-C): length 9.4
  Top w0.15: JP15.2 15.84,17.88 arc(15.93,17.45) 16.17,17.09 17.01,16.25 arc(17.42,15.97) 17.9,15.88 JP13.2 ; JP15.2 16.13,19.15 arc(16.4,19.33) 16.72,19.39 17.29,19.39 arc(17.55,19.45) 17.78,19.6 R51.2 ; JP15.2 15.1,18.12 arc(14.88,17.79) 14.8,17.39 JP14.1
Net-(JP14-B): length 2.3
  Top w0.15: JP14.3 16.32,13 R45.1
Net-(JP14-C): length 6.2
  Top w0.15: J9.2 10.77,12.18 14.41,15.82 JP14.2
Net-(JP15-A): length 1.3
  Top w0.15: R53.2 17.13,19.96 15.84,19.96
Net-(JP16-B): length 14.6
  Top w0.15: J9.3 10.77,14.25 13.58,17.06 arc(13.78,17.36) 13.85,17.71 13.85,18.24 arc(13.88,18.4) 13.98,18.55 JP16.2 15,19.56 arc(15.1,19.72) 15.14,19.91 15.14,20.24 arc(15.17,20.39) 15.25,20.51 arc(15.37,20.59) 15.5,20.61 18.44,20.61 arc(18.56,20.59) 18.66,20.52 arc(18.73,20.42) 18.75,20.31 18.75,19.63 arc(18.71,19.42) 18.59,19.24 R52.2 R53.1
Net-(JP17-C): length 3.8
  Top w0.15: J8.1 10.88,23.78 JP17.2
Net-(JP18-A): length 3
  Top w0.15: JP18.1 18.62,25.76 arc(18.83,25.72) 19.02,25.59 19.47,25.14 R56.1 19.51,25.13 R55.2
Net-(JP18-B): length 4
  Top w0.15: R54.2 17.65,22.67 JP18.3 19.49,23.16 R55.1
Net-(JP18-C): length 9.3
  Top w0.15: JP19.1 14.1,26.3 arc(14.14,26.47) 14.24,26.62 JP21.2 ; JP21.2 15.13,26.44 arc(15.2,26.11) 15.39,25.82 16.41,24.8 arc(16.79,24.55) 17.23,24.46 JP18.2 ; JP21.2 15.25,27.4 arc(15.58,27.18) 15.97,27.1 16.69,27.1 arc(16.95,27.16) 17.18,27.31 17.37,27.5 R57.2
Net-(JP19-B): length 2.2
  Top w0.15: R54.1 14.1,22.84 JP19.3
Net-(JP19-C): length 4
  Top w0.15: JP19.2 13.18,24.46 arc(12.74,24.55) 12.36,24.8 J8.2
Net-(JP20-A): length 3.1
  Top w0.15: R75.2 16.94,30.02 R76.1 17.37,30.44 arc(17.52,30.67) 17.57,30.94 JP20.1
Net-(JP20-B): length 3.9
  Top w0.15: R74.2 14.11,32.2 arc(14.47,31.96) 14.89,31.88 JP20.3 14.97,31.8 14.96,31.79 R75.1
Net-(JP20-C): length 10.3
  Top w0.15: JP4.2 18.59,35.03 arc(18.27,35.24) 17.89,35.32 JP5.1 ; JP4.2 19.84,33.78 arc(19.93,33.64) 19.97,33.47 19.97,32.46 20.44,31.99 arc(20.59,31.89) 20.78,31.85 R46.2 ; JP4.2 18.26,34.28 arc(17.81,34.19) 17.42,33.93 16.91,33.42 arc(16.44,32.71) JP20.2
Net-(JP21-A): length 1.7
  Top w0.15: R59.2 16.16,27.6 JP21.1
Net-(JP22-B): length 8.4
  Top w0.15: R58.2 16.42,28.61 R59.1 15.94,29.09 arc(15.76,29.21) 15.56,29.25 14.79,29.25 arc(14.68,29.23) 14.59,29.17 14.54,29.11 arc(14.46,28.99) 14.43,28.85 14.43,28.6 arc(14.38,28.36) 14.25,28.15 JP22.2 12.58,28.49 arc(12.2,28.74) 11.76,28.83 J8.3
Net-(JP23-C): length 3.7
  Top w0.15: JP23.2 10.81,8.96 J9.1
Net-(JP24-A): length 3.6
  Top w0.15: JP24.1 42.35,18.28 arc(42.4,18.51) 42.53,18.7 42.62,18.79 ; 42.62,18.79 R95.1 ; 42.62,18.79 R95.1 ; R95.1 R92.2
Net-(JP24-B): length 3.8
  Top w0.15: R92.1 JP24.3 45.26,17.3 arc(45.64,17.22) 45.96,17.01 R78.2
Net-(JP24-C): length 9.1
  Top w0.15: JP25.1 41.82,14.22 arc(41.62,14.26) 41.45,14.37 JP26.2 ; JP24.2 43.65,17.08 arc(43.53,16.45) 43.17,15.92 42.84,15.59 arc(42.45,15.33) 41.99,15.24 JP26.2 ; JP26.2 40.1,15.72 arc(40.04,15.81) 40.02,15.92 40.02,16.85 40.01,16.92 40,16.98 39.99,17.02 39.97,17.04 39.97,17.05 R96.2
Net-(JP25-B): length 2.1
  Top w0.15: R78.1 45.74,14.55 arc(45.38,14.31) JP25.3
Net-(JP25-C): length 6.7
  Top w0.15: J11.2 39.6,11.74 arc(39.88,11.93) 40.22,11.99 41.29,11.99 arc(41.71,12.08) 42.06,12.31 43.64,13.89 JP25.2
Net-(JP26-A): length 1.3
  Top w0.15: JP26.1 39.52,15.28 R98.2
Net-(JP27-B): length 13.6
  Top w0.15: J11.3 36.99,11.63 arc(37.4,11.9) 37.87,11.99 38.16,11.99 arc(38.8,12.12) 39.35,12.49 JP27.2 39.92,14.36 arc(39.77,14.46) 39.58,14.5 39.35,14.5 arc(39.15,14.54) 38.98,14.65 38.93,14.7 arc(38.85,14.81) 38.82,14.93 38.81,15.06 38.81,17.4 arc(38.85,17.58) 38.95,17.73 39.1,17.89 arc(39.19,17.94) 39.29,17.96 39.85,17.96 arc(40.02,17.93) 40.17,17.83 R97.2 R98.1
Net-(JP28-C): length 4.4
  Top w0.25: J10.1 27.59,9.35 arc(28.09,9.02) 28.68,8.9 JP28.2
Net-(JP29-A): length 3
  Top w0.15: R100.2 R101.1 24.9,18.69 arc(24.8,18.54) 24.77,18.38 JP29.1
Net-(JP29-B): length 4
  Top w0.15: R99.2 28.36,17 arc(27.91,17.3) JP29.3 R100.1
Net-(JP29-C): length 9.3
  Top w0.15: R102.2 23.3,16.83 arc(23.39,16.7) 23.42,16.55 23.42,15.33 JP31.2 ; JP31.2 23.83,14.11 arc(24.11,13.92) 24.43,13.86 JP30.1 ; JP31.2 24,14.93 arc(24.45,15.02) 24.84,15.27 25.79,16.23 arc(26,16.54) 26.07,16.9 JP29.2
Net-(JP30-B): length 2.3
  Top w0.15: R99.1 27.74,13.86 JP30.3
Net-(JP30-C): length 4.1
  Top w0.15: J10.2 25.64,12.59 arc(25.97,13.1) 26.09,13.69 JP30.2
Net-(JP31-A): length 1.7
  Top w0.15: 21.91,14.93 22.92,15.94 R104.2
Net-(JP32-B): length 8.5
  Top w0.15: J10.3 22.67,12.13 arc(22.94,12.53) 23.03,13 JP32.2 22.33,14.04 arc(22.12,14.18) 21.88,14.23 21.65,14.23 arc(21.53,14.25) 21.43,14.32 21.35,14.41 arc(21.28,14.51) 21.25,14.64 21.25,15.25 arc(21.31,15.56) 21.49,15.83 R104.1 21.9,17.2 R103.2
Net-(JP33-C): length 4.5
  Top w0.15: J11.1 42.38,9.32 arc(42.82,9.02) 43.35,8.92 JP33.2
Net-(JP34-B): length 17.6
  Top w0.15: C30.1 75.19,36.43 arc(75.21,36.53) 75.27,36.62 v1(75.54,36.89) ; Q3.1 82.01,35.69 arc(81.94,36.03) 81.75,36.31 v1(81.06,37) 81.16,37.1 arc(81.42,37.27) 81.72,37.33 JP34.2
  Top w0.25: J3.C4 75.16,35.97
  Bottom w0.15: v1(81.06,37) 75.81,37 arc(75.66,36.97) v1(75.54,36.89)
Net-(TXLED1-A): length 1.1
  Top w0.25: R4.2 63.48,1.25 TXLED1.2
Net-(U1-SPICLK_N/GPIO48): length 1.2
  Top w0.15: R91.2 63.3,10.57 63.34,10.53 arc(63.46,10.45) 63.6,10.42 U1.36
Net-(U1-U0TXD/PROG/GPIO43): length 2
  Top w0.15: R7.2 66.62,6.02 arc(66.97,6.09) 67.27,6.28 67.43,6.44 arc(67.59,6.69) 67.65,6.98 U1.49
Net-(U1-XTAL_N): length 7.1
  Top w0.1: Y1.3 68.32,1.79 68.84,2.3 arc(68.88,2.38) 68.9,2.47 68.9,3.2 arc(68.94,3.41) 69.06,3.59 arc(69.11,3.65) 69.12,3.73 69.12,5.73 arc(69.14,5.82) 69.19,5.89 arc(69.23,5.96) 69.25,6.04 U1.53
  Top w0.15: C12.1 67.06,1.79 Y1.3
Net-(U1-XTAL_P): length 1.6
  Top w0.1: U1.54 69.65,5.54 arc(69.64,5.53) L2.1
Net-(U2-Rs): length 2.4
  Top w0.15: 93.91,7.48 93.37,6.94 arc(93.31,6.9) 93.23,6.88 U2.8
Net-(U3-ST): length 0.8
  Top w0.25: 70.46,24.51 70.46,25.29 70.43,25.32
Net-(U6-_MODE_1): length 2
  Top w0.2: U6.21 104.78,21.44 arc(104.65,21.39) R32.1
Net-(U6-MODE_2): length 2.1
  Top w0.2: U6.20 104.97,21.89 arc(104.71,22) R31.1
Net-(U6-P_GOOD): length 4.2
  Top w0.2: U6.14 108.54,23.37 108.54,23.48 108.55,23.49 108.55,24.27 arc(108.6,24.52) 108.74,24.74 109.1,25.09 arc(109.2,25.25) 109.24,25.43 arc(109.26,25.53) 109.32,25.62 110.4,26.71 110.48,26.71
Net-(U6-V_DRV): length 2.6
  Top w0.2: U6.12 109.43,23.29 109.45,23.32 109.46,23.33 109.48,23.36 ; U6.12 109.44,23.37 109.48,23.61 109.48,23.67 109.49,23.74 109.5,23.77 109.51,23.8 109.54,23.83 109.57,23.88 109.62,23.94 110.61,24.93 arc(110.7,25.06) C26.2 ; U6.12 109.46,23.28
Net-(U7-CAP): length 2.1
  Top w0.2: 31.32,25.34 30.98,25 30.77,25 ; 31.32,25.34 31.15,25.18 arc(30.97,25.06) U7.24 ; 31.32,25.34 arc(31.58,25.52) 31.89,25.58 C81.1
Net-(U10-_MODE_1): length 2
  Top w0.2: R87.1 93.68,12.32 arc(93.66,12.42) U10.21
Net-(U10-MODE_2): length 2.1
  Top w0.2: U10.20 93.16,11.94 arc(93.01,11.19) R86.1
Net-(U10-P_GOOD): length 5.5
  Top w0.2: 91.5,14.54 91.64,14.54 91.77,14.53 U10.14 91.02,14.51 arc(90.79,14.56) 90.6,14.68 90.17,15.11 arc(90.08,15.17) 89.97,15.2 arc(89.76,15.24) 89.58,15.36 89.03,15.91 arc(88.85,16.18) 88.78,16.51 arc(88.74,16.7) 88.63,16.86 R81.2
Net-(U10-V_DRV): length 3
  Top w0.2: C74.2 89.8,16.96 91.14,15.62 91.2,15.56 arc(91.47,15.41) 91.77,15.36 ; 91.52,15.41 91.6,15.41 U10.12 91.79,15.41 arc(91.79,15.39) 91.78,15.37
Net-(USBLED1-A): length 1
  Top w0.15: R20.2 USBLED1.2
unconnected-(U1-GPIO18/ADC2_CH7/DAC_1-Pad24): length 0
  Top w0.15: 66.86,14.08 U1.24

## Copper pours and planes (outline as drawn; the poured copper is in the pictures)
+3.3V on Top: 69.92,7.64 69.92,6.14 70.62,6.14 70.62,5.44 72.72,5.44 72.72,6.84 70.72,6.84 70.72,7.64
+3.3V on Top: 47.51,32.82 47.51,35.18 56.5,35.16 56.5,25.33 47.02,25.28 47.07,26.01 56.09,26.06 56.08,32.83
+3.3V on Top: 59.42,31.14 62.12,31.19 62.11,27.98 59.41,27.93
+3.3V on Top: 74.72,8.04 73.57,8.04 73.57,3.99 74.72,3.99
+3.3V on Top: 45.37,44.13 45.37,47.13 54.87,47.13 54.87,36.38 44.87,36.38 44.87,37.13 54.12,37.13 54.12,44.13
+3.3V on Top: 29.53,22.06 29.54,20.1 30.28,20.1 30.27,21.76 30.27,22.06
+3.3V on Top: 85.52,35.28 85.52,37.88 84.36,37.88 84.36,36.48 82.92,36.48 82.92,35.28
+3.3V on In2.Cu: -18.88,64.88 151.12,64.88 151.12,-15.12 -18.88,-15.12
+5V on Top: 38.62,36.38 38.62,32.38 40.12,32.38 40.12,36.38
+6V on Top: 123.12,42.38 123.12,28.88 112.42,28.88 112.36,34.86 102.32,34.84 102.38,42.36
GND on Top: 66.72,21.63 67.22,22.01 67.22,23.07 67.85,23.06 68.23,22.56 68.88,22.56 68.88,21.05 66.72,21.05
GND on Top, Bottom, In1.Cu: -13.88,59.88 146.12,59.88 146.12,-10.12 -13.88,-10.12
/Boosts/LDO5.5V_IN on Top: 37.9,32.05 37.89,26.06 44.09,26.06 44.09,27.46 38.89,27.46 38.89,29.76 41.5,29.75 41.51,32.04
/Boosts/LDO5.5V_IN on Top: 46.52,27.76 40.72,27.76 40.72,26.06 44.92,26.06 45.62,27.06 46.52,27.06
/Boosts/LDO12V_IN on Top: 44.48,39.09 38.68,39.09 38.68,37.39 42.88,37.39 43.58,38.39 44.48,38.39
/Boosts/LDO12V_IN on Top: 36.71,44.48 36.72,37.28 42.92,37.28 42.92,38.68 37.72,38.68 37.72,42.08 39.92,42.08 39.91,44.48
/buckC/SW on Top: 110.02,19.18 112.22,18.48 122.88,18.5 122.88,24.4 111.72,24.38 110.02,22.18
/Power/BBIN on Top: 68.53,23.16 67.97,23.73 67.86,23.75 67.47,24.09 67.29,24.54 67.75,24.72 70.13,24.72 70.13,24.64 71.03,24.64 71.03,22.44 68.53,22.44
/Power/BBOUT on Top: 63.23,22.91 63.23,23.29 63.22,24.75 64.21,24.75 65.42,24.55 65.39,23.25 64.73,23.25 64.34,22.9
/Power/LX1 on Top: 66.6,28 68.21,28 68.21,26.8 66.6,26.8
/Power/LX1 on Top: 66.59,24.35 66.78,24.65 66.77,25.37 67.95,25.37 67.95,24.96 67.14,24.96 67.14,24.69 67.02,24.45 67.03,24.14 66.6,24.14
/Power/LX1 on Bottom: 66.6,27.39 66.6,28 68.19,28 68.19,24.96 67.01,24.96 67.01,24.14 66.6,24.13
/Power/LX2 on Top: 65.57,24.37 65.55,24.52 65.54,24.58 65.31,24.96 64.66,24.96 64.66,25.36 65.84,25.37 65.84,24.58 66,24.46 66,23.99 65.64,23.98
/Power/LX2 on Top: 64.4,28 66,28 66,26.8 64.4,26.8
/Power/LX2 on Bottom: 65.6,24.95 64.41,24.95 64.41,28 66.01,28 66.01,27.27 66.01,24.13 65.6,24.13
/Pyro/EFuse_In on Top: 89.83,23.3 89.83,25.8 102.32,25.87 102.32,23.37
/Pyro/EFuse_In on Top: 100.02,34.08 100.02,33.38 100.32,33.38 100.32,30.38 100.02,30.38 100.02,29.58 98.52,29.58 98.52,33.38 99.52,33.38 99.52,34.08
/Pyro/EFuse_In on Top: 97.42,30.38 99.92,30.38 99.92,25.38 97.42,25.38
/Pyro/PyroV on Top: 98.42,30.48 98.42,33.38 99.42,33.38 99.42,46.48 91.52,46.48 91.52,42.98 96.42,42.98 96.42,30.48
/Pyro/SW on Top: 95.55,15.85 96.35,19.75 96.38,20.54 90.52,20.55 90.52,17.74 92.05,15.85
/ServoV_LOG on Top: 100.55,38.38 100.55,36.38 102.12,36.38 102.12,38.38
DeployV on Top, Bottom: 117.27,4.64 117.2,12.81 108.38,12.8 108.42,20.88 107.12,20.88 107.12,19.58 103.12,14.28 94.22,14.28 94.22,13.08 95.52,13.08 97.52,11.18 107.42,11.18 111.72,4.58
Net-(C6-Pad1) on Top: 70.82,8.99 70.82,8.24 74.37,8.24 74.37,9.04
Net-(D3-K) on Top: 86.87,37.88 86.87,32.38 87.87,32.38 87.87,28.88 90.87,28.88 90.87,37.88
Net-(IC1-SW) on Top: 46.68,27.08 49.27,26.78 55.12,26.78 55.12,29.53 50.27,29.53 48.27,28.53 46.68,28.53
Net-(IC4-SW) on Top: 44.61,38.43 47.12,38.13 52.87,38.13 52.87,40.88 48.12,40.88 46.12,39.88 44.62,39.88
Net-(J12-Pin_2) on Top: 87.12,38.13 91.37,38.13 91.37,46.38 88.37,46.38 88.37,40.38 87.12,40.38

Small or netless copper shapes (teardrops, artwork), in the pictures only: 623 on Top, 61 on Bottom

## Text on the board
B.Silkscreen: Designed By Soham More / Electronics 2024 | STARK v1.0
F.Silkscreen: GND | 3V3 | 5V | 37 | 40 | TP_DATA+ | 38 | 42 | TP_DATA- | 39 | 41 | TP_TXD | LED_3V3 | LED_TX | LED_USB | TP_RXD | TP_BBOUT | TP_3V3 | TP_RBUS_V | TP_BBIN | LED_CAN_TX | LED_CAN_RX | LED_FIRING | LED_PYRO_CONT | LED_12V | 12V | V | JP_LED | JP_SD | JP_CAN | I | EN | BOOT | JLCJLCJLCJLC | ADC3 | ADC2 | ADC4 | ADC1 | ADC0 | ADC5 | SENSORS | GPIO | USB | SD | PYRO | RBUS | SERVO1 | SERVO2 | STARK v1.0
